# Allegro board LED_FIN.brd (continued)
## Routing (per net, layer and track width the routed paths; a pad name or vN(x,y) marks a point on that pad's centre or on a via; arc(x,y) is an arc through that point) (continued)
ROW_OUT_A30: length 240
  TOP w0.6: U8.1 38.35,379.7 D211.3 D212.3 D213.3 D214.3 D215.3 D216.3 D217.3 D218.3 D219.3 D220.3 D221.3 D222.3 D223.3 D224.3 D225.3 D226.3 D227.3 D228.3 D229.3 D230.3 D231.3 D232.3 D233.3 D234.3 D235.3 D236.3 D237.3 D238.3 D239.3 D240.3 D1351.3 D1352.3 D1353.3 D1354.3 D1355.3 D1356.3 D1357.3 D1358.3 D1359.3 D1360.3 D1361.3 D1362.3 D1363.3 D1364.3 D1365.3 D1366.3 D1367.3 D1368.3 D1369.3 D1370.3 D1371.3 D1372.3 D1373.3 D1374.3 D1375.3 D1376.3 D1377.3 D1378.3 D1379.3 D1380.3 D2491.3 D2492.3 D2493.3 D2494.3 D2495.3 D2496.3 D2497.3 D2498.3 D2499.3 D2500.3 D2501.3 D2502.3 D2503.3 D2504.3 D2505.3 D2506.3 D2507.3 D2508.3 D2509.3 D2510.3 D2511.3 D2512.3 D2513.3 D2514.3 D2515.3 D2516.3 D2517.3 D2518.3 D2519.3 D2520.3 D3631.3 D3632.3 D3633.3 D3634.3 D3635.3 D3636.3 D3637.3 D3638.3 D3639.3 D3640.3 D3641.3 D3642.3 D3643.3 D3644.3 D3645.3 D3646.3 D3647.3 D3648.3 D3649.3 D3650.3 D3651.3 D3652.3 D3653.3 D3654.3 D3655.3 D3656.3 D3657.3 D3658.3 D3659.3 D3660.3
ROW_OUT_A31: length 240
  TOP w0.6: D3630.3 D3629.3 D3628.3 D3627.3 D3626.3 D3625.3 D3624.3 D3623.3 D3622.3 D3621.3 D3620.3 D3619.3 D3618.3 D3617.3 D3616.3 D3615.3 D3614.3 D3613.3 D3612.3 D3611.3 D3610.3 D3609.3 D3608.3 D3607.3 D3606.3 D3605.3 D3604.3 D3603.3 D3602.3 D3601.3 D2490.3 D2489.3 D2488.3 D2487.3 D2486.3 D2485.3 D2484.3 D2483.3 D2482.3 D2481.3 D2480.3 D2479.3 D2478.3 D2477.3 D2476.3 D2475.3 D2474.3 D2473.3 D2472.3 D2471.3 D2470.3 D2469.3 D2468.3 D2467.3 D2466.3 D2465.3 D2464.3 D2463.3 D2462.3 D2461.3 D1350.3 D1349.3 D1348.3 D1347.3 D1346.3 D1345.3 D1344.3 D1343.3 D1342.3 D1341.3 D1340.3 D1339.3 D1338.3 D1337.3 D1336.3 D1335.3 D1334.3 D1333.3 D1332.3 D1331.3 D1330.3 D1329.3 D1328.3 D1327.3 D1326.3 D1325.3 D1324.3 D1323.3 D1322.3 D1321.3 D210.3 D209.3 D208.3 D207.3 D206.3 D205.3 D204.3 D203.3 D202.3 D201.3 D200.3 D199.3 D198.3 D197.3 D196.3 D195.3 D194.3 D193.3 D192.3 D191.3 D190.3 D189.3 D188.3 D187.3 D186.3 D185.3 D184.3 D183.3 D182.3 D181.3 38.35,381.7 U7.1
ROW_OUT_A32: length 240
  TOP w0.6: D3600.3 D3599.3 D3598.3 D3597.3 D3596.3 D3595.3 D3594.3 D3593.3 D3592.3 D3591.3 D3590.3 D3589.3 D3588.3 D3587.3 D3586.3 D3585.3 D3584.3 D3583.3 D3582.3 D3581.3 D3580.3 D3579.3 D3578.3 D3577.3 D3576.3 D3575.3 D3574.3 D3573.3 D3572.3 D3571.3 D2460.3 D2459.3 D2458.3 D2457.3 D2456.3 D2455.3 D2454.3 D2453.3 D2452.3 D2451.3 D2450.3 D2449.3 D2448.3 D2447.3 D2446.3 D2445.3 D2444.3 D2443.3 D2442.3 D2441.3 D2440.3 D2439.3 D2438.3 D2437.3 D2436.3 D2435.3 D2434.3 D2433.3 D2432.3 D2431.3 D1320.3 D1319.3 D1318.3 D1317.3 D1316.3 D1315.3 D1314.3 D1313.3 D1312.3 D1311.3 D1310.3 D1309.3 D1308.3 D1307.3 D1306.3 D1305.3 D1304.3 D1303.3 D1302.3 D1301.3 D1300.3 D1299.3 D1298.3 D1297.3 D1296.3 D1295.3 D1294.3 D1293.3 D1292.3 D1291.3 D180.3 D179.3 D178.3 D177.3 D176.3 D175.3 D174.3 D173.3 D172.3 D171.3 D170.3 D169.3 D168.3 D167.3 D166.3 D165.3 D164.3 D163.3 D162.3 D161.3 D160.3 D159.3 D158.3 D157.3 D156.3 D155.3 D154.3 D153.3 D152.3 D151.3 38.35,383.7 U6.1
ROW_OUT_A33: length 240
  TOP w0.6: U5.1 38.35,385.7 D121.3 D122.3 D123.3 D124.3 D125.3 D126.3 D127.3 D128.3 D129.3 D130.3 D131.3 D132.3 D133.3 D134.3 D135.3 D136.3 D137.3 D138.3 D139.3 D140.3 D141.3 D142.3 D143.3 D144.3 D145.3 D146.3 D147.3 D148.3 D149.3 D150.3 D1261.3 D1262.3 D1263.3 D1264.3 D1265.3 D1266.3 D1267.3 D1268.3 D1269.3 D1270.3 D1271.3 D1272.3 D1273.3 D1274.3 D1275.3 D1276.3 D1277.3 D1278.3 D1279.3 D1280.3 D1281.3 D1282.3 D1283.3 D1284.3 D1285.3 D1286.3 D1287.3 D1288.3 D1289.3 D1290.3 D2401.3 D2402.3 D2403.3 D2404.3 D2405.3 D2406.3 D2407.3 D2408.3 D2409.3 D2410.3 D2411.3 D2412.3 D2413.3 D2414.3 D2415.3 D2416.3 D2417.3 D2418.3 D2419.3 D2420.3 D2421.3 D2422.3 D2423.3 D2424.3 D2425.3 D2426.3 D2427.3 D2428.3 D2429.3 D2430.3 D3541.3 D3542.3 D3543.3 D3544.3 D3545.3 D3546.3 D3547.3 D3548.3 D3549.3 D3550.3 D3551.3 D3552.3 D3553.3 D3554.3 D3555.3 D3556.3 D3557.3 D3558.3 D3559.3 D3560.3 D3561.3 D3562.3 D3563.3 D3564.3 D3565.3 D3566.3 D3567.3 D3568.3 D3569.3 D3570.3
ROW_OUT_A34: length 240
  TOP w0.6: D3540.3 D3539.3 D3538.3 D3537.3 D3536.3 D3535.3 D3534.3 D3533.3 D3532.3 D3531.3 D3530.3 D3529.3 D3528.3 D3527.3 D3526.3 D3525.3 D3524.3 D3523.3 D3522.3 D3521.3 D3520.3 D3519.3 D3518.3 D3517.3 D3516.3 D3515.3 D3514.3 D3513.3 D3512.3 D3511.3 D2400.3 D2399.3 D2398.3 D2397.3 D2396.3 D2395.3 D2394.3 D2393.3 D2392.3 D2391.3 D2390.3 D2389.3 D2388.3 D2387.3 D2386.3 D2385.3 D2384.3 D2383.3 D2382.3 D2381.3 D2380.3 D2379.3 D2378.3 D2377.3 D2376.3 D2375.3 D2374.3 D2373.3 D2372.3 D2371.3 D1260.3 D1259.3 D1258.3 D1257.3 D1256.3 D1255.3 D1254.3 D1253.3 D1252.3 D1251.3 D1250.3 D1249.3 D1248.3 D1247.3 D1246.3 D1245.3 D1244.3 D1243.3 D1242.3 D1241.3 D1240.3 D1239.3 D1238.3 D1237.3 D1236.3 D1235.3 D1234.3 D1233.3 D1232.3 D1231.3 D120.3 D119.3 D118.3 D117.3 D116.3 D115.3 D114.3 D113.3 D112.3 D111.3 D110.3 D109.3 D108.3 D107.3 D106.3 D105.3 D104.3 D103.3 D102.3 D101.3 D100.3 D99.3 D98.3 D97.3 D96.3 D95.3 D94.3 D93.3 D92.3 D91.3 38.35,387.7 U4.1
ROW_OUT_A35: length 240
  TOP w0.6: U3.1 38.35,389.7 D61.3 D62.3 D63.3 D64.3 D65.3 D66.3 D67.3 D68.3 D69.3 D70.3 D71.3 D72.3 D73.3 D74.3 D75.3 D76.3 D77.3 D78.3 D79.3 D80.3 D81.3 D82.3 D83.3 D84.3 D85.3 D86.3 D87.3 D88.3 D89.3 D90.3 D1201.3 D1202.3 D1203.3 D1204.3 D1205.3 D1206.3 D1207.3 D1208.3 D1209.3 D1210.3 D1211.3 D1212.3 D1213.3 D1214.3 D1215.3 D1216.3 D1217.3 D1218.3 D1219.3 D1220.3 D1221.3 D1222.3 D1223.3 D1224.3 D1225.3 D1226.3 D1227.3 D1228.3 D1229.3 D1230.3 D2341.3 D2342.3 D2343.3 D2344.3 D2345.3 D2346.3 D2347.3 D2348.3 D2349.3 D2350.3 D2351.3 D2352.3 D2353.3 D2354.3 D2355.3 D2356.3 D2357.3 D2358.3 D2359.3 D2360.3 D2361.3 D2362.3 D2363.3 D2364.3 D2365.3 D2366.3 D2367.3 D2368.3 D2369.3 D2370.3 D3481.3 D3482.3 D3483.3 D3484.3 D3485.3 D3486.3 D3487.3 D3488.3 D3489.3 D3490.3 D3491.3 D3492.3 D3493.3 D3494.3 D3495.3 D3496.3 D3497.3 D3498.3 D3499.3 D3500.3 D3501.3 D3502.3 D3503.3 D3504.3 D3505.3 D3506.3 D3507.3 D3508.3 D3509.3 D3510.3
ROW_OUT_A36: length 240
  TOP w0.6: U2.1 38.35,391.7 D31.3 D32.3 D33.3 D34.3 D35.3 D36.3 D37.3 D38.3 D39.3 D40.3 D41.3 D42.3 D43.3 D44.3 D45.3 D46.3 D47.3 D48.3 D49.3 D50.3 D51.3 D52.3 D53.3 D54.3 D55.3 D56.3 D57.3 D58.3 D59.3 D60.3 D1171.3 D1172.3 D1173.3 D1174.3 D1175.3 D1176.3 D1177.3 D1178.3 D1179.3 D1180.3 D1181.3 D1182.3 D1183.3 D1184.3 D1185.3 D1186.3 D1187.3 D1188.3 D1189.3 D1190.3 D1191.3 D1192.3 D1193.3 D1194.3 D1195.3 D1196.3 D1197.3 D1198.3 D1199.3 D1200.3 D2311.3 D2312.3 D2313.3 D2314.3 D2315.3 D2316.3 D2317.3 D2318.3 D2319.3 D2320.3 D2321.3 D2322.3 D2323.3 D2324.3 D2325.3 D2326.3 D2327.3 D2328.3 D2329.3 D2330.3 D2331.3 D2332.3 D2333.3 D2334.3 D2335.3 D2336.3 D2337.3 D2338.3 D2339.3 D2340.3 D3451.3 D3452.3 D3453.3 D3454.3 D3455.3 D3456.3 D3457.3 D3458.3 D3459.3 D3460.3 D3461.3 D3462.3 D3463.3 D3464.3 D3465.3 D3466.3 D3467.3 D3468.3 D3469.3 D3470.3 D3471.3 D3472.3 D3473.3 D3474.3 D3475.3 D3476.3 D3477.3 D3478.3 D3479.3 D3480.3
ROW_OUT_A37: length 240
  TOP w0.6: D3450.3 D3449.3 D3448.3 D3447.3 D3446.3 D3445.3 D3444.3 D3443.3 D3442.3 D3441.3 D3440.3 D3439.3 D3438.3 D3437.3 D3436.3 D3435.3 D3434.3 D3433.3 D3432.3 D3431.3 D3430.3 D3429.3 D3428.3 D3427.3 D3426.3 D3425.3 D3424.3 D3423.3 D3422.3 D3421.3 D2310.3 D2309.3 D2308.3 D2307.3 D2306.3 D2305.3 D2304.3 D2303.3 D2302.3 D2301.3 D2300.3 D2299.3 D2298.3 D2297.3 D2296.3 D2295.3 D2294.3 D2293.3 D2292.3 D2291.3 D2290.3 D2289.3 D2288.3 D2287.3 D2286.3 D2285.3 D2284.3 D2283.3 D2282.3 D2281.3 D1170.3 D1169.3 D1168.3 D1167.3 D1166.3 D1165.3 D1164.3 D1163.3 D1162.3 D1161.3 D1160.3 D1159.3 D1158.3 D1157.3 D1156.3 D1155.3 D1154.3 D1153.3 D1152.3 D1151.3 D1150.3 D1149.3 D1148.3 D1147.3 D1146.3 D1145.3 D1144.3 D1143.3 D1142.3 D1141.3 D30.3 D29.3 D28.3 D27.3 D26.3 D25.3 D24.3 D23.3 D22.3 D21.3 D20.3 D19.3 D18.3 D17.3 D16.3 D15.3 D14.3 D13.3 D12.3 D11.3 D10.3 D9.3 D8.3 D7.3 D6.3 D5.3 D4.3 D3.3 D2.3 D1.3 38.35,393.7 U1.1
ROW_OUT_B0: length 240
  TOP w0.6: D5671.3 D5672.3 D5673.3 D5674.3 D5675.3 D5676.3 D5677.3 D5678.3 D5679.3 D5680.3 D5681.3 D5682.3 D5683.3 D5684.3 D5685.3 D5686.3 D5687.3 D5688.3 D5689.3 D5690.3 D5691.3 D5692.3 D5693.3 D5694.3 D5695.3 D5696.3 D5697.3 D5698.3 D5699.3 D5700.3 D6811.3 D6812.3 D6813.3 D6814.3 D6815.3 D6816.3 D6817.3 D6818.3 D6819.3 D6820.3 D6821.3 D6822.3 D6823.3 D6824.3 D6825.3 D6826.3 D6827.3 D6828.3 D6829.3 D6830.3 D6831.3 D6832.3 D6833.3 D6834.3 D6835.3 D6836.3 D6837.3 D6838.3 D6839.3 D6840.3 D7951.3 D7952.3 D7953.3 D7954.3 D7955.3 D7956.3 D7957.3 D7958.3 D7959.3 D7960.3 D7961.3 D7962.3 D7963.3 D7964.3 D7965.3 D7966.3 D7967.3 D7968.3 D7969.3 D7970.3 D7971.3 D7972.3 D7973.3 D7974.3 D7975.3 D7976.3 D7977.3 D7978.3 D7979.3 D7980.3 D9091.3 D9092.3 D9093.3 D9094.3 D9095.3 D9096.3 D9097.3 D9098.3 D9099.3 D9100.3 D9101.3 D9102.3 D9103.3 D9104.3 D9105.3 D9106.3 D9107.3 D9108.3 D9109.3 D9110.3 D9111.3 D9112.3 D9113.3 D9114.3 D9115.3 D9116.3 D9117.3 D9118.3 D9119.3 D9120.3 276.75,243.7 U76.1
ROW_OUT_B1: length 240
  TOP w0.6: U75.1 276.75,245.7 D9090.3 D9089.3 D9088.3 D9087.3 D9086.3 D9085.3 D9084.3 D9083.3 D9082.3 D9081.3 D9080.3 D9079.3 D9078.3 D9077.3 D9076.3 D9075.3 D9074.3 D9073.3 D9072.3 D9071.3 D9070.3 D9069.3 D9068.3 D9067.3 D9066.3 D9065.3 D9064.3 D9063.3 D9062.3 D9061.3 D7950.3 D7949.3 D7948.3 D7947.3 D7946.3 D7945.3 D7944.3 D7943.3 D7942.3 D7941.3 D7940.3 D7939.3 D7938.3 D7937.3 D7936.3 D7935.3 D7934.3 D7933.3 D7932.3 D7931.3 D7930.3 D7929.3 D7928.3 D7927.3 D7926.3 D7925.3 D7924.3 D7923.3 D7922.3 D7921.3 D6810.3 D6809.3 D6808.3 D6807.3 D6806.3 D6805.3 D6804.3 D6803.3 D6802.3 D6801.3 D6800.3 D6799.3 D6798.3 D6797.3 D6796.3 D6795.3 D6794.3 D6793.3 D6792.3 D6791.3 D6790.3 D6789.3 D6788.3 D6787.3 D6786.3 D6785.3 D6784.3 D6783.3 D6782.3 D6781.3 D5670.3 D5669.3 D5668.3 D5667.3 D5666.3 D5665.3 D5664.3 D5663.3 D5662.3 D5661.3 D5660.3 D5659.3 D5658.3 D5657.3 D5656.3 D5655.3 D5654.3 D5653.3 D5652.3 D5651.3 D5650.3 D5649.3 D5648.3 D5647.3 D5646.3 D5645.3 D5644.3 D5643.3 D5642.3 D5641.3
ROW_OUT_B2: length 240
  TOP w0.6: U74.1 276.75,247.7 D9060.3 D9059.3 D9058.3 D9057.3 D9056.3 D9055.3 D9054.3 D9053.3 D9052.3 D9051.3 D9050.3 D9049.3 D9048.3 D9047.3 D9046.3 D9045.3 D9044.3 D9043.3 D9042.3 D9041.3 D9040.3 D9039.3 D9038.3 D9037.3 D9036.3 D9035.3 D9034.3 D9033.3 D9032.3 D9031.3 D7920.3 D7919.3 D7918.3 D7917.3 D7916.3 D7915.3 D7914.3 D7913.3 D7912.3 D7911.3 D7910.3 D7909.3 D7908.3 D7907.3 D7906.3 D7905.3 D7904.3 D7903.3 D7902.3 D7901.3 D7900.3 D7899.3 D7898.3 D7897.3 D7896.3 D7895.3 D7894.3 D7893.3 D7892.3 D7891.3 D6780.3 D6779.3 D6778.3 D6777.3 D6776.3 D6775.3 D6774.3 D6773.3 D6772.3 D6771.3 D6770.3 D6769.3 D6768.3 D6767.3 D6766.3 D6765.3 D6764.3 D6763.3 D6762.3 D6761.3 D6760.3 D6759.3 D6758.3 D6757.3 D6756.3 D6755.3 D6754.3 D6753.3 D6752.3 D6751.3 D5640.3 D5639.3 D5638.3 D5637.3 D5636.3 D5635.3 D5634.3 D5633.3 D5632.3 D5631.3 D5630.3 D5629.3 D5628.3 D5627.3 D5626.3 D5625.3 D5624.3 D5623.3 D5622.3 D5621.3 D5620.3 D5619.3 D5618.3 D5617.3 D5616.3 D5615.3 D5614.3 D5613.3 D5612.3 D5611.3
ROW_OUT_B3: length 240
  TOP w0.6: D5581.3 D5582.3 D5583.3 D5584.3 D5585.3 D5586.3 D5587.3 D5588.3 D5589.3 D5590.3 D5591.3 D5592.3 D5593.3 D5594.3 D5595.3 D5596.3 D5597.3 D5598.3 D5599.3 D5600.3 D5601.3 D5602.3 D5603.3 D5604.3 D5605.3 D5606.3 D5607.3 D5608.3 D5609.3 D5610.3 D6721.3 D6722.3 D6723.3 D6724.3 D6725.3 D6726.3 D6727.3 D6728.3 D6729.3 D6730.3 D6731.3 D6732.3 D6733.3 D6734.3 D6735.3 D6736.3 D6737.3 D6738.3 D6739.3 D6740.3 D6741.3 D6742.3 D6743.3 D6744.3 D6745.3 D6746.3 D6747.3 D6748.3 D6749.3 D6750.3 D7861.3 D7862.3 D7863.3 D7864.3 D7865.3 D7866.3 D7867.3 D7868.3 D7869.3 D7870.3 D7871.3 D7872.3 D7873.3 D7874.3 D7875.3 D7876.3 D7877.3 D7878.3 D7879.3 D7880.3 D7881.3 D7882.3 D7883.3 D7884.3 D7885.3 D7886.3 D7887.3 D7888.3 D7889.3 D7890.3 D9001.3 D9002.3 D9003.3 D9004.3 D9005.3 D9006.3 D9007.3 D9008.3 D9009.3 D9010.3 D9011.3 D9012.3 D9013.3 D9014.3 D9015.3 D9016.3 D9017.3 D9018.3 D9019.3 D9020.3 D9021.3 D9022.3 D9023.3 D9024.3 D9025.3 D9026.3 D9027.3 D9028.3 D9029.3 D9030.3 276.75,249.7 U73.1
ROW_OUT_B4: length 240
  TOP w0.6: D5551.3 D5552.3 D5553.3 D5554.3 D5555.3 D5556.3 D5557.3 D5558.3 D5559.3 D5560.3 D5561.3 D5562.3 D5563.3 D5564.3 D5565.3 D5566.3 D5567.3 D5568.3 D5569.3 D5570.3 D5571.3 D5572.3 D5573.3 D5574.3 D5575.3 D5576.3 D5577.3 D5578.3 D5579.3 D5580.3 D6691.3 D6692.3 D6693.3 D6694.3 D6695.3 D6696.3 D6697.3 D6698.3 D6699.3 D6700.3 D6701.3 D6702.3 D6703.3 D6704.3 D6705.3 D6706.3 D6707.3 D6708.3 D6709.3 D6710.3 D6711.3 D6712.3 D6713.3 D6714.3 D6715.3 D6716.3 D6717.3 D6718.3 D6719.3 D6720.3 D7831.3 D7832.3 D7833.3 D7834.3 D7835.3 D7836.3 D7837.3 D7838.3 D7839.3 D7840.3 D7841.3 D7842.3 D7843.3 D7844.3 D7845.3 D7846.3 D7847.3 D7848.3 D7849.3 D7850.3 D7851.3 D7852.3 D7853.3 D7854.3 D7855.3 D7856.3 D7857.3 D7858.3 D7859.3 D7860.3 D8971.3 D8972.3 D8973.3 D8974.3 D8975.3 D8976.3 D8977.3 D8978.3 D8979.3 D8980.3 D8981.3 D8982.3 D8983.3 D8984.3 D8985.3 D8986.3 D8987.3 D8988.3 D8989.3 D8990.3 D8991.3 D8992.3 D8993.3 D8994.3 D8995.3 D8996.3 D8997.3 D8998.3 D8999.3 D9000.3 276.75,251.7 U72.1
ROW_OUT_B5: length 240
  TOP w0.6: U71.1 276.75,253.7 D8970.3 D8969.3 D8968.3 D8967.3 D8966.3 D8965.3 D8964.3 D8963.3 D8962.3 D8961.3 D8960.3 D8959.3 D8958.3 D8957.3 D8956.3 D8955.3 D8954.3 D8953.3 D8952.3 D8951.3 D8950.3 D8949.3 D8948.3 D8947.3 D8946.3 D8945.3 D8944.3 D8943.3 D8942.3 D8941.3 D7830.3 D7829.3 D7828.3 D7827.3 D7826.3 D7825.3 D7824.3 D7823.3 D7822.3 D7821.3 D7820.3 D7819.3 D7818.3 D7817.3 D7816.3 D7815.3 D7814.3 D7813.3 D7812.3 D7811.3 D7810.3 D7809.3 D7808.3 D7807.3 D7806.3 D7805.3 D7804.3 D7803.3 D7802.3 D7801.3 D6690.3 D6689.3 D6688.3 D6687.3 D6686.3 D6685.3 D6684.3 D6683.3 D6682.3 D6681.3 D6680.3 D6679.3 D6678.3 D6677.3 D6676.3 D6675.3 D6674.3 D6673.3 D6672.3 D6671.3 D6670.3 D6669.3 D6668.3 D6667.3 D6666.3 D6665.3 D6664.3 D6663.3 D6662.3 D6661.3 D5550.3 D5549.3 D5548.3 D5547.3 D5546.3 D5545.3 D5544.3 D5543.3 D5542.3 D5541.3 D5540.3 D5539.3 D5538.3 D5537.3 D5536.3 D5535.3 D5534.3 D5533.3 D5532.3 D5531.3 D5530.3 D5529.3 D5528.3 D5527.3 D5526.3 D5525.3 D5524.3 D5523.3 D5522.3 D5521.3
ROW_OUT_B6: length 240
  TOP w0.6: U70.1 276.75,255.7 D8940.3 D8939.3 D8938.3 D8937.3 D8936.3 D8935.3 D8934.3 D8933.3 D8932.3 D8931.3 D8930.3 D8929.3 D8928.3 D8927.3 D8926.3 D8925.3 D8924.3 D8923.3 D8922.3 D8921.3 D8920.3 D8919.3 D8918.3 D8917.3 D8916.3 D8915.3 D8914.3 D8913.3 D8912.3 D8911.3 D7800.3 D7799.3 D7798.3 D7797.3 D7796.3 D7795.3 D7794.3 D7793.3 D7792.3 D7791.3 D7790.3 D7789.3 D7788.3 D7787.3 D7786.3 D7785.3 D7784.3 D7783.3 D7782.3 D7781.3 D7780.3 D7779.3 D7778.3 D7777.3 D7776.3 D7775.3 D7774.3 D7773.3 D7772.3 D7771.3 D6660.3 D6659.3 D6658.3 D6657.3 D6656.3 D6655.3 D6654.3 D6653.3 D6652.3 D6651.3 D6650.3 D6649.3 D6648.3 D6647.3 D6646.3 D6645.3 D6644.3 D6643.3 D6642.3 D6641.3 D6640.3 D6639.3 D6638.3 D6637.3 D6636.3 D6635.3 D6634.3 D6633.3 D6632.3 D6631.3 D5520.3 D5519.3 D5518.3 D5517.3 D5516.3 D5515.3 D5514.3 D5513.3 D5512.3 D5511.3 D5510.3 D5509.3 D5508.3 D5507.3 D5506.3 D5505.3 D5504.3 D5503.3 D5502.3 D5501.3 D5500.3 D5499.3 D5498.3 D5497.3 D5496.3 D5495.3 D5494.3 D5493.3 D5492.3 D5491.3
ROW_OUT_B7: length 240
  TOP w0.6: U69.1 276.75,257.7 D8910.3 D8909.3 D8908.3 D8907.3 D8906.3 D8905.3 D8904.3 D8903.3 D8902.3 D8901.3 D8900.3 D8899.3 D8898.3 D8897.3 D8896.3 D8895.3 D8894.3 D8893.3 D8892.3 D8891.3 D8890.3 D8889.3 D8888.3 D8887.3 D8886.3 D8885.3 D8884.3 D8883.3 D8882.3 D8881.3 D7770.3 D7769.3 D7768.3 D7767.3 D7766.3 D7765.3 D7764.3 D7763.3 D7762.3 D7761.3 D7760.3 D7759.3 D7758.3 D7757.3 D7756.3 D7755.3 D7754.3 D7753.3 D7752.3 D7751.3 D7750.3 D7749.3 D7748.3 D7747.3 D7746.3 D7745.3 D7744.3 D7743.3 D7742.3 D7741.3 D6630.3 D6629.3 D6628.3 D6627.3 D6626.3 D6625.3 D6624.3 D6623.3 D6622.3 D6621.3 D6620.3 D6619.3 D6618.3 D6617.3 D6616.3 D6615.3 D6614.3 D6613.3 D6612.3 D6611.3 D6610.3 D6609.3 D6608.3 D6607.3 D6606.3 D6605.3 D6604.3 D6603.3 D6602.3 D6601.3 D5490.3 D5489.3 D5488.3 D5487.3 D5486.3 D5485.3 D5484.3 D5483.3 D5482.3 D5481.3 D5480.3 D5479.3 D5478.3 D5477.3 D5476.3 D5475.3 D5474.3 D5473.3 D5472.3 D5471.3 D5470.3 D5469.3 D5468.3 D5467.3 D5466.3 D5465.3 D5464.3 D5463.3 D5462.3 D5461.3
ROW_OUT_B8: length 240
  TOP w0.6: U68.1 276.75,259.7 D8880.3 D8879.3 D8878.3 D8877.3 D8876.3 D8875.3 D8874.3 D8873.3 D8872.3 D8871.3 D8870.3 D8869.3 D8868.3 D8867.3 D8866.3 D8865.3 D8864.3 D8863.3 D8862.3 D8861.3 D8860.3 D8859.3 D8858.3 D8857.3 D8856.3 D8855.3 D8854.3 D8853.3 D8852.3 D8851.3 D7740.3 D7739.3 D7738.3 D7737.3 D7736.3 D7735.3 D7734.3 D7733.3 D7732.3 D7731.3 D7730.3 D7729.3 D7728.3 D7727.3 D7726.3 D7725.3 D7724.3 D7723.3 D7722.3 D7721.3 D7720.3 D7719.3 D7718.3 D7717.3 D7716.3 D7715.3 D7714.3 D7713.3 D7712.3 D7711.3 D6600.3 D6599.3 D6598.3 D6597.3 D6596.3 D6595.3 D6594.3 D6593.3 D6592.3 D6591.3 D6590.3 D6589.3 D6588.3 D6587.3 D6586.3 D6585.3 D6584.3 D6583.3 D6582.3 D6581.3 D6580.3 D6579.3 D6578.3 D6577.3 D6576.3 D6575.3 D6574.3 D6573.3 D6572.3 D6571.3 D5460.3 D5459.3 D5458.3 D5457.3 D5456.3 D5455.3 D5454.3 D5453.3 D5452.3 D5451.3 D5450.3 D5449.3 D5448.3 D5447.3 D5446.3 D5445.3 D5444.3 D5443.3 D5442.3 D5441.3 D5440.3 D5439.3 D5438.3 D5437.3 D5436.3 D5435.3 D5434.3 D5433.3 D5432.3 D5431.3
ROW_OUT_B9: length 240
  TOP w0.6: U67.1 276.75,261.7 D8850.3 D8849.3 D8848.3 D8847.3 D8846.3 D8845.3 D8844.3 D8843.3 D8842.3 D8841.3 D8840.3 D8839.3 D8838.3 D8837.3 D8836.3 D8835.3 D8834.3 D8833.3 D8832.3 D8831.3 D8830.3 D8829.3 D8828.3 D8827.3 D8826.3 D8825.3 D8824.3 D8823.3 D8822.3 D8821.3 D7710.3 D7709.3 D7708.3 D7707.3 D7706.3 D7705.3 D7704.3 D7703.3 D7702.3 D7701.3 D7700.3 D7699.3 D7698.3 D7697.3 D7696.3 D7695.3 D7694.3 D7693.3 D7692.3 D7691.3 D7690.3 D7689.3 D7688.3 D7687.3 D7686.3 D7685.3 D7684.3 D7683.3 D7682.3 D7681.3 D6570.3 D6569.3 D6568.3 D6567.3 D6566.3 D6565.3 D6564.3 D6563.3 D6562.3 D6561.3 D6560.3 D6559.3 D6558.3 D6557.3 D6556.3 D6555.3 D6554.3 D6553.3 D6552.3 D6551.3 D6550.3 D6549.3 D6548.3 D6547.3 D6546.3 D6545.3 D6544.3 D6543.3 D6542.3 D6541.3 D5430.3 D5429.3 D5428.3 D5427.3 D5426.3 D5425.3 D5424.3 D5423.3 D5422.3 D5421.3 D5420.3 D5419.3 D5418.3 D5417.3 D5416.3 D5415.3 D5414.3 D5413.3 D5412.3 D5411.3 D5410.3 D5409.3 D5408.3 D5407.3 D5406.3 D5405.3 D5404.3 D5403.3 D5402.3 D5401.3
ROW_OUT_B10: length 240
  TOP w0.6: D5371.3 D5372.3 D5373.3 D5374.3 D5375.3 D5376.3 D5377.3 D5378.3 D5379.3 D5380.3 D5381.3 D5382.3 D5383.3 D5384.3 D5385.3 D5386.3 D5387.3 D5388.3 D5389.3 D5390.3 D5391.3 D5392.3 D5393.3 D5394.3 D5395.3 D5396.3 D5397.3 D5398.3 D5399.3 D5400.3 D6511.3 D6512.3 D6513.3 D6514.3 D6515.3 D6516.3 D6517.3 D6518.3 D6519.3 D6520.3 D6521.3 D6522.3 D6523.3 D6524.3 D6525.3 D6526.3 D6527.3 D6528.3 D6529.3 D6530.3 D6531.3 D6532.3 D6533.3 D6534.3 D6535.3 D6536.3 D6537.3 D6538.3 D6539.3 D6540.3 D7651.3 D7652.3 D7653.3 D7654.3 D7655.3 D7656.3 D7657.3 D7658.3 D7659.3 D7660.3 D7661.3 D7662.3 D7663.3 D7664.3 D7665.3 D7666.3 D7667.3 D7668.3 D7669.3 D7670.3 D7671.3 D7672.3 D7673.3 D7674.3 D7675.3 D7676.3 D7677.3 D7678.3 D7679.3 D7680.3 D8791.3 D8792.3 D8793.3 D8794.3 D8795.3 D8796.3 D8797.3 D8798.3 D8799.3 D8800.3 D8801.3 D8802.3 D8803.3 D8804.3 D8805.3 D8806.3 D8807.3 D8808.3 D8809.3 D8810.3 D8811.3 D8812.3 D8813.3 D8814.3 D8815.3 D8816.3 D8817.3 D8818.3 D8819.3 D8820.3 276.75,263.7 U66.1
ROW_OUT_B11: length 240
  TOP w0.6: D5341.3 D5342.3 D5343.3 D5344.3 D5345.3 D5346.3 D5347.3 D5348.3 D5349.3 D5350.3 D5351.3 D5352.3 D5353.3 D5354.3 D5355.3 D5356.3 D5357.3 D5358.3 D5359.3 D5360.3 D5361.3 D5362.3 D5363.3 D5364.3 D5365.3 D5366.3 D5367.3 D5368.3 D5369.3 D5370.3 D6481.3 D6482.3 D6483.3 D6484.3 D6485.3 D6486.3 D6487.3 D6488.3 D6489.3 D6490.3 D6491.3 D6492.3 D6493.3 D6494.3 D6495.3 D6496.3 D6497.3 D6498.3 D6499.3 D6500.3 D6501.3 D6502.3 D6503.3 D6504.3 D6505.3 D6506.3 D6507.3 D6508.3 D6509.3 D6510.3 D7621.3 D7622.3 D7623.3 D7624.3 D7625.3 D7626.3 D7627.3 D7628.3 D7629.3 D7630.3 D7631.3 D7632.3 D7633.3 D7634.3 D7635.3 D7636.3 D7637.3 D7638.3 D7639.3 D7640.3 D7641.3 D7642.3 D7643.3 D7644.3 D7645.3 D7646.3 D7647.3 D7648.3 D7649.3 D7650.3 D8761.3 D8762.3 D8763.3 D8764.3 D8765.3 D8766.3 D8767.3 D8768.3 D8769.3 D8770.3 D8771.3 D8772.3 D8773.3 D8774.3 D8775.3 D8776.3 D8777.3 D8778.3 D8779.3 D8780.3 D8781.3 D8782.3 D8783.3 D8784.3 D8785.3 D8786.3 D8787.3 D8788.3 D8789.3 D8790.3 276.75,265.7 U65.1
ROW_OUT_B12: length 240
  TOP w0.6: U64.1 276.75,267.7 D8760.3 D8759.3 D8758.3 D8757.3 D8756.3 D8755.3 D8754.3 D8753.3 D8752.3 D8751.3 D8750.3 D8749.3 D8748.3 D8747.3 D8746.3 D8745.3 D8744.3 D8743.3 D8742.3 D8741.3 D8740.3 D8739.3 D8738.3 D8737.3 D8736.3 D8735.3 D8734.3 D8733.3 D8732.3 D8731.3 D7620.3 D7619.3 D7618.3 D7617.3 D7616.3 D7615.3 D7614.3 D7613.3 D7612.3 D7611.3 D7610.3 D7609.3 D7608.3 D7607.3 D7606.3 D7605.3 D7604.3 D7603.3 D7602.3 D7601.3 D7600.3 D7599.3 D7598.3 D7597.3 D7596.3 D7595.3 D7594.3 D7593.3 D7592.3 D7591.3 D6480.3 D6479.3 D6478.3 D6477.3 D6476.3 D6475.3 D6474.3 D6473.3 D6472.3 D6471.3 D6470.3 D6469.3 D6468.3 D6467.3 D6466.3 D6465.3 D6464.3 D6463.3 D6462.3 D6461.3 D6460.3 D6459.3 D6458.3 D6457.3 D6456.3 D6455.3 D6454.3 D6453.3 D6452.3 D6451.3 D5340.3 D5339.3 D5338.3 D5337.3 D5336.3 D5335.3 D5334.3 D5333.3 D5332.3 D5331.3 D5330.3 D5329.3 D5328.3 D5327.3 D5326.3 D5325.3 D5324.3 D5323.3 D5322.3 D5321.3 D5320.3 D5319.3 D5318.3 D5317.3 D5316.3 D5315.3 D5314.3 D5313.3 D5312.3 D5311.3
ROW_OUT_B13: length 240
  TOP w0.6: D5281.3 D5282.3 D5283.3 D5284.3 D5285.3 D5286.3 D5287.3 D5288.3 D5289.3 D5290.3 D5291.3 D5292.3 D5293.3 D5294.3 D5295.3 D5296.3 D5297.3 D5298.3 D5299.3 D5300.3 D5301.3 D5302.3 D5303.3 D5304.3 D5305.3 D5306.3 D5307.3 D5308.3 D5309.3 D5310.3 D6421.3 D6422.3 D6423.3 D6424.3 D6425.3 D6426.3 D6427.3 D6428.3 D6429.3 D6430.3 D6431.3 D6432.3 D6433.3 D6434.3 D6435.3 D6436.3 D6437.3 D6438.3 D6439.3 D6440.3 D6441.3 D6442.3 D6443.3 D6444.3 D6445.3 D6446.3 D6447.3 D6448.3 D6449.3 D6450.3 D7561.3 D7562.3 D7563.3 D7564.3 D7565.3 D7566.3 D7567.3 D7568.3 D7569.3 D7570.3 D7571.3 D7572.3 D7573.3 D7574.3 D7575.3 D7576.3 D7577.3 D7578.3 D7579.3 D7580.3 D7581.3 D7582.3 D7583.3 D7584.3 D7585.3 D7586.3 D7587.3 D7588.3 D7589.3 D7590.3 D8701.3 D8702.3 D8703.3 D8704.3 D8705.3 D8706.3 D8707.3 D8708.3 D8709.3 D8710.3 D8711.3 D8712.3 D8713.3 D8714.3 D8715.3 D8716.3 D8717.3 D8718.3 D8719.3 D8720.3 D8721.3 D8722.3 D8723.3 D8724.3 D8725.3 D8726.3 D8727.3 D8728.3 D8729.3 D8730.3 276.75,269.7 U63.1
ROW_OUT_B14: length 240
  TOP w0.6: U62.1 276.75,271.7 D8700.3 D8699.3 D8698.3 D8697.3 D8696.3 D8695.3 D8694.3 D8693.3 D8692.3 D8691.3 D8690.3 D8689.3 D8688.3 D8687.3 D8686.3 D8685.3 D8684.3 D8683.3 D8682.3 D8681.3 D8680.3 D8679.3 D8678.3 D8677.3 D8676.3 D8675.3 D8674.3 D8673.3 D8672.3 D8671.3 D7560.3 D7559.3 D7558.3 D7557.3 D7556.3 D7555.3 D7554.3 D7553.3 D7552.3 D7551.3 D7550.3 D7549.3 D7548.3 D7547.3 D7546.3 D7545.3 D7544.3 D7543.3 D7542.3 D7541.3 D7540.3 D7539.3 D7538.3 D7537.3 D7536.3 D7535.3 D7534.3 D7533.3 D7532.3 D7531.3 D6420.3 D6419.3 D6418.3 D6417.3 D6416.3 D6415.3 D6414.3 D6413.3 D6412.3 D6411.3 D6410.3 D6409.3 D6408.3 D6407.3 D6406.3 D6405.3 D6404.3 D6403.3 D6402.3 D6401.3 D6400.3 D6399.3 D6398.3 D6397.3 D6396.3 D6395.3 D6394.3 D6393.3 D6392.3 D6391.3 D5280.3 D5279.3 D5278.3 D5277.3 D5276.3 D5275.3 D5274.3 D5273.3 D5272.3 D5271.3 D5270.3 D5269.3 D5268.3 D5267.3 D5266.3 D5265.3 D5264.3 D5263.3 D5262.3 D5261.3 D5260.3 D5259.3 D5258.3 D5257.3 D5256.3 D5255.3 D5254.3 D5253.3 D5252.3 D5251.3
ROW_OUT_B15: length 240
  TOP w0.6: D5221.3 D5222.3 D5223.3 D5224.3 D5225.3 D5226.3 D5227.3 D5228.3 D5229.3 D5230.3 D5231.3 D5232.3 D5233.3 D5234.3 D5235.3 D5236.3 D5237.3 D5238.3 D5239.3 D5240.3 D5241.3 D5242.3 D5243.3 D5244.3 D5245.3 D5246.3 D5247.3 D5248.3 D5249.3 D5250.3 D6361.3 D6362.3 D6363.3 D6364.3 D6365.3 D6366.3 D6367.3 D6368.3 D6369.3 D6370.3 D6371.3 D6372.3 D6373.3 D6374.3 D6375.3 D6376.3 D6377.3 D6378.3 D6379.3 D6380.3 D6381.3 D6382.3 D6383.3 D6384.3 D6385.3 D6386.3 D6387.3 D6388.3 D6389.3 D6390.3 D7501.3 D7502.3 D7503.3 D7504.3 D7505.3 D7506.3 D7507.3 D7508.3 D7509.3 D7510.3 D7511.3 D7512.3 D7513.3 D7514.3 D7515.3 D7516.3 D7517.3 D7518.3 D7519.3 D7520.3 D7521.3 D7522.3 D7523.3 D7524.3 D7525.3 D7526.3 D7527.3 D7528.3 D7529.3 D7530.3 D8641.3 D8642.3 D8643.3 D8644.3 D8645.3 D8646.3 D8647.3 D8648.3 D8649.3 D8650.3 D8651.3 D8652.3 D8653.3 D8654.3 D8655.3 D8656.3 D8657.3 D8658.3 D8659.3 D8660.3 D8661.3 D8662.3 D8663.3 D8664.3 D8665.3 D8666.3 D8667.3 D8668.3 D8669.3 D8670.3 276.75,273.7 U61.1
ROW_OUT_B16: length 240
  TOP w0.6: D5191.3 D5192.3 D5193.3 D5194.3 D5195.3 D5196.3 D5197.3 D5198.3 D5199.3 D5200.3 D5201.3 D5202.3 D5203.3 D5204.3 D5205.3 D5206.3 D5207.3 D5208.3 D5209.3 D5210.3 D5211.3 D5212.3 D5213.3 D5214.3 D5215.3 D5216.3 D5217.3 D5218.3 D5219.3 D5220.3 D6331.3 D6332.3 D6333.3 D6334.3 D6335.3 D6336.3 D6337.3 D6338.3 D6339.3 D6340.3 D6341.3 D6342.3 D6343.3 D6344.3 D6345.3 D6346.3 D6347.3 D6348.3 D6349.3 D6350.3 D6351.3 D6352.3 D6353.3 D6354.3 D6355.3 D6356.3 D6357.3 D6358.3 D6359.3 D6360.3 D7471.3 D7472.3 D7473.3 D7474.3 D7475.3 D7476.3 D7477.3 D7478.3 D7479.3 D7480.3 D7481.3 D7482.3 D7483.3 D7484.3 D7485.3 D7486.3 D7487.3 D7488.3 D7489.3 D7490.3 D7491.3 D7492.3 D7493.3 D7494.3 D7495.3 D7496.3 D7497.3 D7498.3 D7499.3 D7500.3 D8611.3 D8612.3 D8613.3 D8614.3 D8615.3 D8616.3 D8617.3 D8618.3 D8619.3 D8620.3 D8621.3 D8622.3 D8623.3 D8624.3 D8625.3 D8626.3 D8627.3 D8628.3 D8629.3 D8630.3 D8631.3 D8632.3 D8633.3 D8634.3 D8635.3 D8636.3 D8637.3 D8638.3 D8639.3 D8640.3 276.75,275.7 U60.1
